# KiCad board ENV_KB_RGB.kicad_pcb
title: EnvKB; date: 2021-04-06; rev: Rev.1
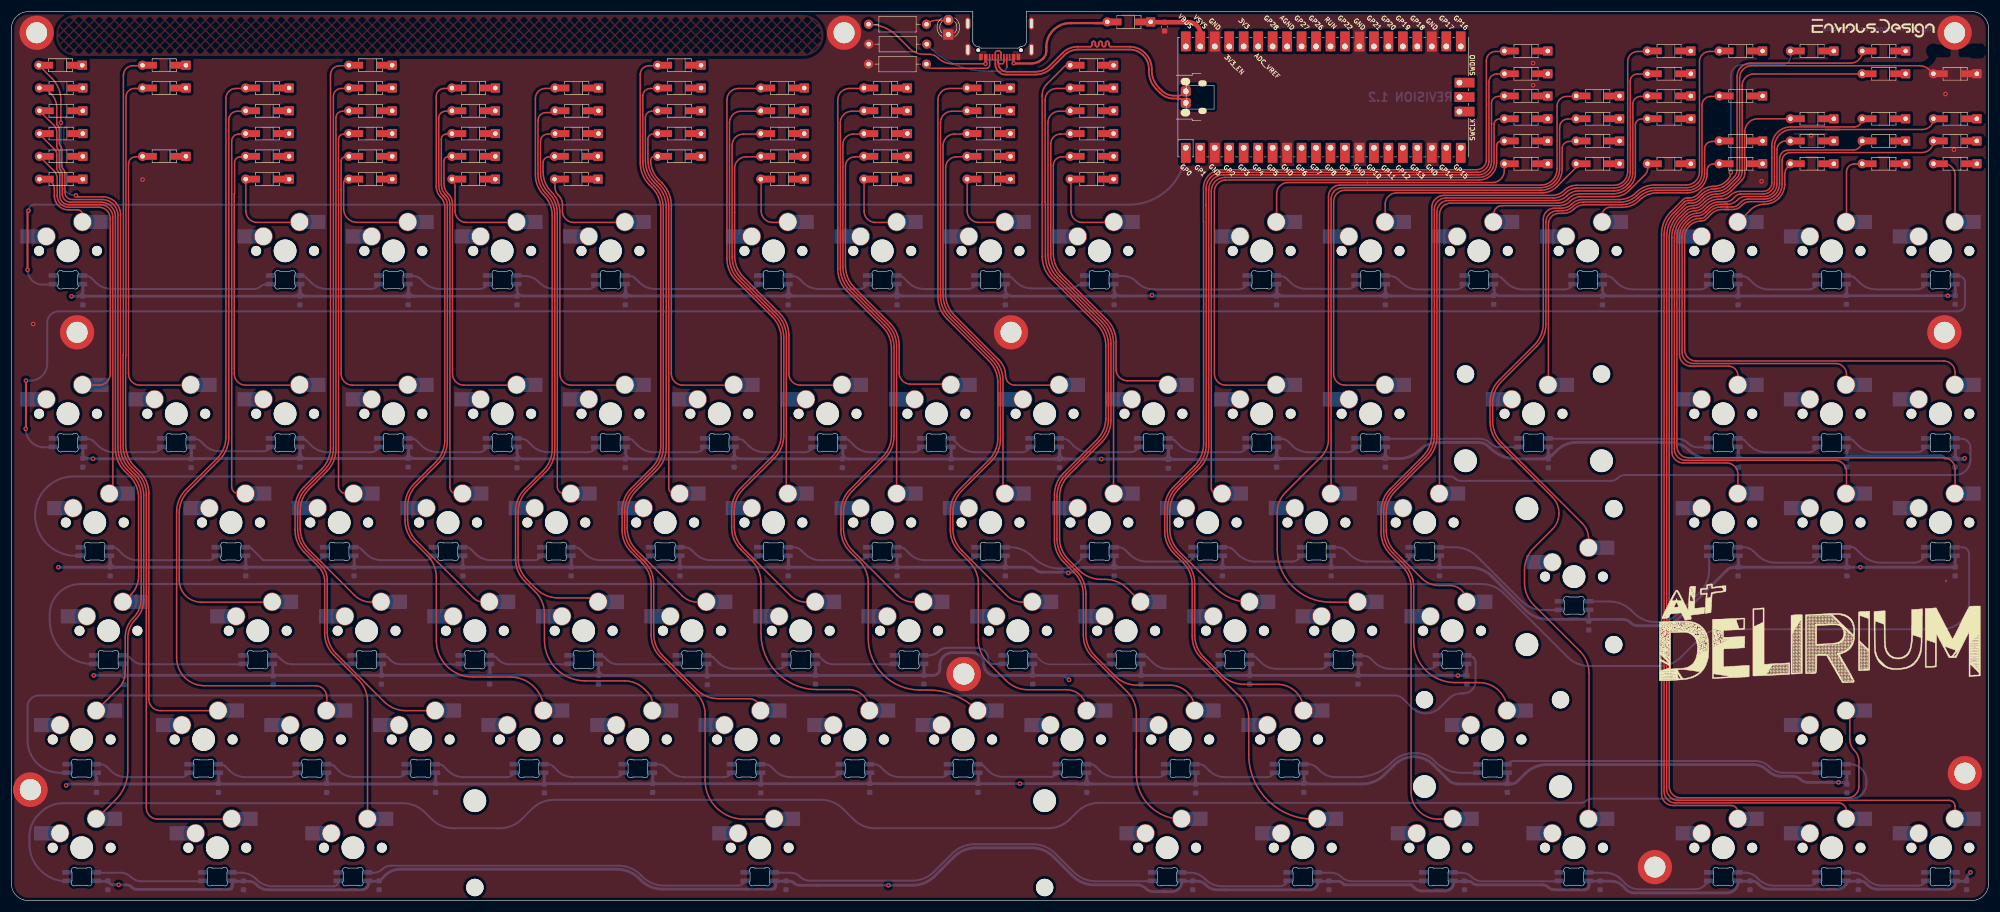
[diagram p0: board, top side]
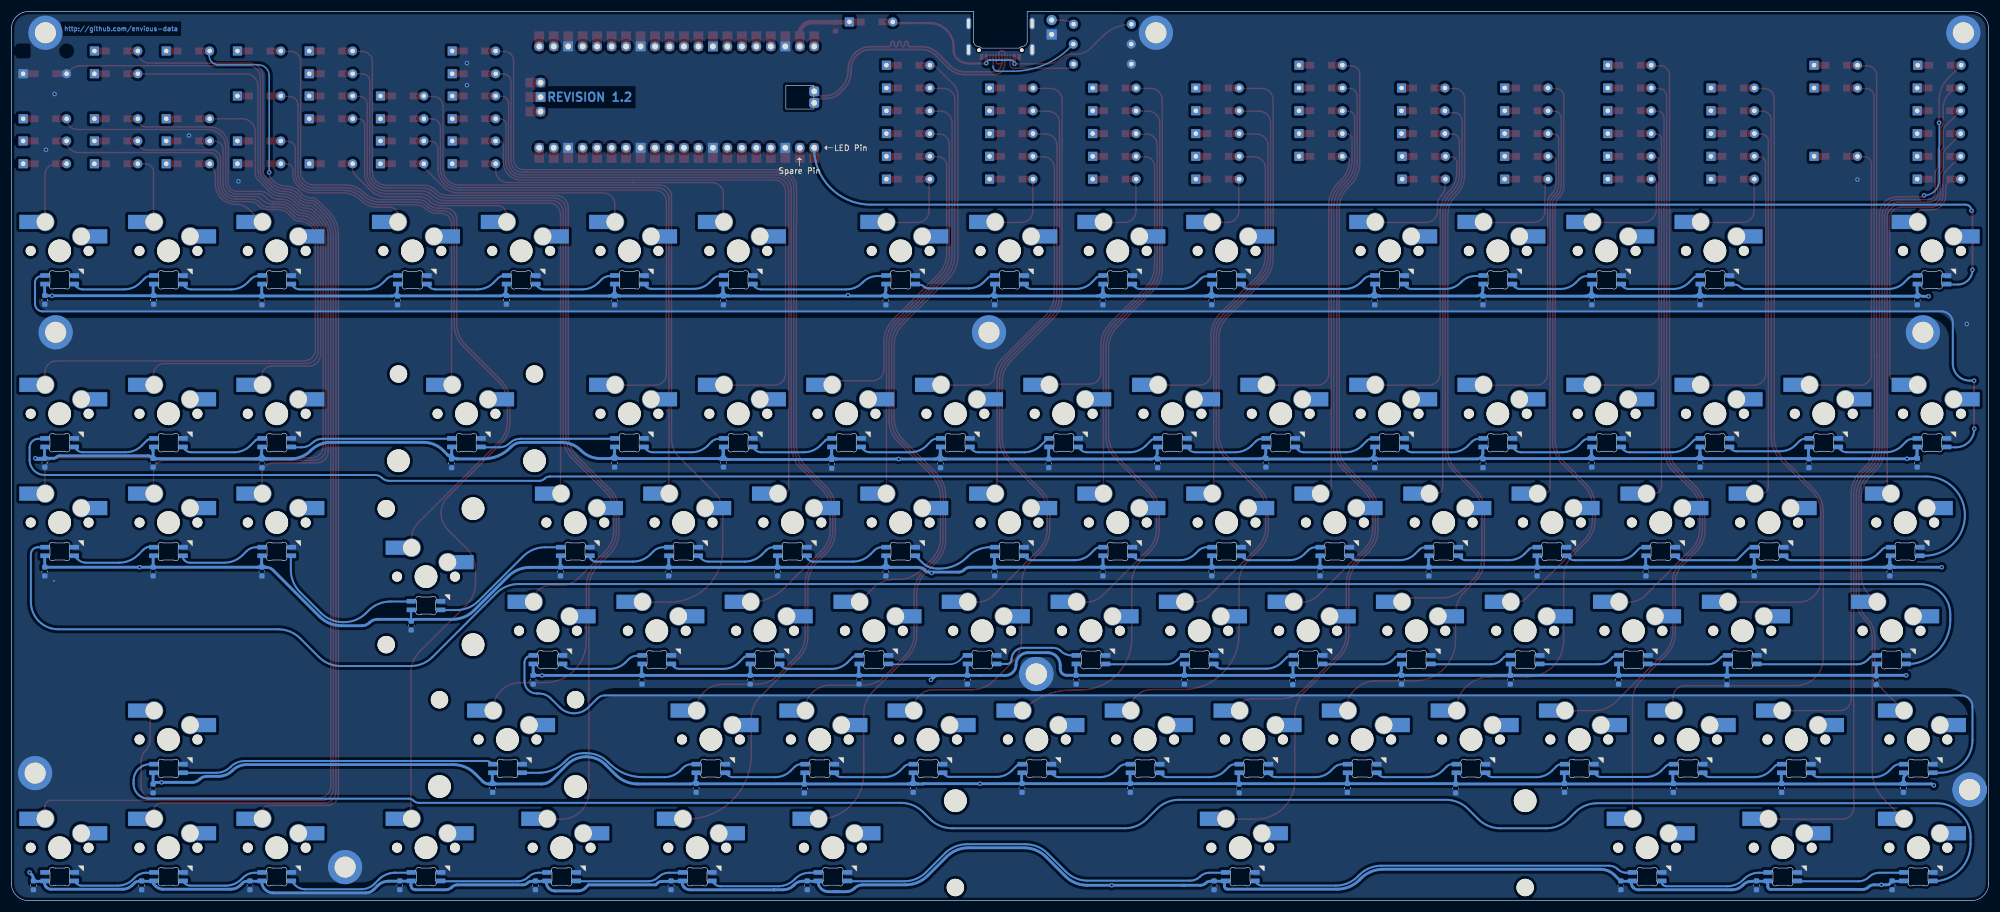
[diagram p1: board, bottom side, seen from below]

Outline 347 x 156.13 mm; copper layers: Top, In1.Cu, In2.Cu, Bottom. Coordinates in mm from the lower left corner of the outline.
Outline path: 211.08,138.99 211.08,143.16 206.16,143.16 206.16,138.99 closed ; 168.73,155.28 168.73,156.11 3,156.1 arc(0.88,155.22) 0,153.1 0,3 arc(0.88,0.88) 3,0 344,0 arc(346.12,0.88) 347,3 347,153.11 arc(346.12,155.23) 344,156.11 178.14,156.13 178.14,155.28
Stack: Top 0.035mm / dielectric 0.48mm FR4 er 4.5 / In1.Cu 0.035mm / dielectric 0.48mm FR4 er 4.5 / In2.Cu 0.035mm / dielectric 0.48mm FR4 er 4.5 / Bottom 0.035mm

## Placement (name value [footprint] x y rotation side)
C1  100nF 0603  [C_0603_1608Metric]  341.13 105.48 270 bottom
C2  100nF 0603  [C_0603_1608Metric]  193.53 105.38 270 bottom
C3  100nF 0603  [C_0603_1608Metric]  83.93 38.78 270 bottom
C4  100nF 0603  [C_0603_1608Metric]  41.13 57.78 270 bottom
C5  100nF 0603  [C_0603_1608Metric]  303.03 76.78 270 bottom
C6  100nF 0603  [C_0603_1608Metric]  145.83 76.78 270 bottom
C7  100nF 0603  [C_0603_1608Metric]  60.13 57.78 270 bottom
C8  100nF 0603  [C_0603_1608Metric]  107.73 105.38 270 bottom
C10  100nF 0603  [C_0603_1608Metric]  150.63 19.78 270 bottom
C11  100nF 0603  [C_0603_1608Metric]  12.53 105.38 270 bottom
C12  100nF 0603  [C_0603_1608Metric]  278.83 2.69 270 bottom
C13  100nF 0603  [C_0603_1608Metric]  324.13 2.69 270 bottom
C14  100nF 0603  [C_0603_1608Metric]  122.13 38.69 270 bottom
C15  100nF 0603  [C_0603_1608Metric]  136.33 105.38 270 bottom
C16  100nF 0603  [C_0603_1608Metric]  303.03 105.38 270 bottom
C17  100nF 0603  [C_0603_1608Metric]  14.93 19.78 270 bottom
C18  100nF 0603  [C_0603_1608Metric]  31.53 76.78 270 bottom
C19  100nF 0603  [C_0603_1608Metric]  198.23 38.78 270 bottom
C20  100nF 0603  [C_0603_1608Metric]  262.53 19.78 270 bottom
C22  100nF 0603  [C_0603_1608Metric]  107.73 76.78 270 bottom
C23  100nF 0603  [C_0603_1608Metric]  36.33 19.78 270 bottom
C26  100nF 0603  [C_0603_1608Metric]  231.23 2.69 270 bottom
C27  100nF 0603  [C_0603_1608Metric]  276.83 48.28 270 bottom
C29  100nF 0603  [C_0603_1608Metric]  64.53 2.69 270 bottom
C30  100nF 0603  [C_0603_1608Metric]  269.73 76.78 270 bottom
C31  100nF 0603  [C_0603_1608Metric]  17.33 57.78 270 bottom
C32  100nF 0603  [C_0603_1608Metric]  74.43 19.78 270 bottom
C33  100nF 0603  [C_0603_1608Metric]  169.63 19.78 270 bottom
C34  100nF 0603  [C_0603_1608Metric]  155.43 105.38 270 bottom
C35  100nF 0603  [C_0603_1608Metric]  322.03 105.48 270 bottom
C36  100nF 0603  [C_0603_1608Metric]  164.93 76.78 270 bottom
C37  100nF 0603  [C_0603_1608Metric]  217.33 38.78 270 bottom
C38  100nF 0603  [C_0603_1608Metric]  141.13 38.78 270 bottom
C39  100nF 0603  [C_0603_1608Metric]  126.83 76.88 270 bottom
C40  100nF 0603  [C_0603_1608Metric]  250.63 57.78 270 bottom
C42  100nF 0603  [C_0603_1608Metric]  193.53 57.78 270 bottom
C43  100nF 0603  [C_0603_1608Metric]  103.03 38.78 270 bottom
C44  100nF 0603  [C_0603_1608Metric]  207.83 19.69 270 bottom
C45  100nF 0603  [C_0603_1608Metric]  12.53 76.88 270 bottom
C46  100nF 0603  [C_0603_1608Metric]  183.93 76.78 270 bottom
C47  100nF 0603  [C_0603_1608Metric]  93.53 19.69 270 bottom
C48  100nF 0603  [C_0603_1608Metric]  136.33 57.78 270 bottom
C49  100nF 0603  [C_0603_1608Metric]  188.73 19.78 270 bottom
C50  100nF 0603  [C_0603_1608Metric]  135.93 2.69 270 bottom
C52  100nF 0603  [C_0603_1608Metric]  88.73 76.78 270 bottom
C53  100nF 0603  [C_0603_1608Metric]  174.43 105.38 270 bottom
C54  100nF 0603  [C_0603_1608Metric]  241.13 76.88 270 bottom
C55  100nF 0603  [C_0603_1608Metric]  212.53 57.78 270 bottom
C56  100nF 0603  [C_0603_1608Metric]  117.33 57.78 270 bottom
C57  100nF 0603  [C_0603_1608Metric]  260.13 105.48 270 bottom
C59  100nF 0603  [C_0603_1608Metric]  236.33 38.78 270 bottom
C60  100nF 0603  [C_0603_1608Metric]  174.43 57.78 270 bottom
C61  100nF 0603  [C_0603_1608Metric]  341.13 76.88 270 bottom
C62  100nF 0603  [C_0603_1608Metric]  64.93 38.78 270 bottom
C64  100nF 0603  [C_0603_1608Metric]  222.03 76.88 270 bottom
C65  100nF 0603  [C_0603_1608Metric]  305.13 2.69 270 bottom
C66  100nF 0603  [C_0603_1608Metric]  155.43 57.78 270 bottom
C67  100nF 0603  [C_0603_1608Metric]  255.43 38.78 270 bottom
C68  100nF 0603  [C_0603_1608Metric]  19.73 38.69 270 bottom
C69  100nF 0603  [C_0603_1608Metric]  343.13 2.69 270 bottom
C70  100nF 0603  [C_0603_1608Metric]  207.33 2.69 270 bottom
C71  100nF 0603  [C_0603_1608Metric]  341.13 57.78 270 bottom
C72  100nF 0603  [C_0603_1608Metric]  50.63 76.88 270 bottom
C74  100nF 0603  [C_0603_1608Metric]  69.63 76.88 270 bottom
C75  100nF 0603  [C_0603_1608Metric]  112.53 19.78 270 bottom
C76  100nF 0603  [C_0603_1608Metric]  40.73 2.69 270 bottom
C77  100nF 0603  [C_0603_1608Metric]  45.93 38.69 270 bottom
C78  100nF 0603  [C_0603_1608Metric]  241.13 105.38 270 bottom
C79  100nF 0603  [C_0603_1608Metric]  322.13 57.78 270 bottom
C81  100nF 0603  [C_0603_1608Metric]  322.13 76.88 270 bottom
C82  100nF 0603  [C_0603_1608Metric]  202.38 153.46 270 top
C83  100nF 0603  [C_0603_1608Metric]  203.03 76.69 270 bottom
C85  100nF 0603  [C_0603_1608Metric]  322.13 19.69 270 bottom
C86  100nF 0603  [C_0603_1608Metric]  98.23 57.78 270 bottom
C87  100nF 0603  [C_0603_1608Metric]  69.63 105.38 270 bottom
C88  100nF 0603  [C_0603_1608Metric]  131.53 19.69 270 bottom
C89  100nF 0603  [C_0603_1608Metric]  231.63 57.78 270 bottom
C90  100nF 0603  [C_0603_1608Metric]  160.13 38.78 270 bottom
C91  100nF 0603  [C_0603_1608Metric]  88.73 105.38 270 bottom
C92  100nF 0603  [C_0603_1608Metric]  55.33 19.78 270 bottom
C93  100nF 0603  [C_0603_1608Metric]  222.03 105.38 270 bottom
C94  100nF 0603  [C_0603_1608Metric]  279.23 105.38 270 bottom
C95  100nF 0603  [C_0603_1608Metric]  16.93 2.69 270 bottom
C96  100nF 0603  [C_0603_1608Metric]  255.03 2.69 270 bottom
C97  100nF 0603  [C_0603_1608Metric]  303.03 57.78 270 bottom
C98  100nF 0603  [C_0603_1608Metric]  179.23 38.78 270 bottom
C99  100nF 0603  [C_0603_1608Metric]  226.83 19.78 270 bottom
C100  100nF 0603  [C_0603_1608Metric]  79.23 57.78 270 bottom
C102  100nF 0603  [C_0603_1608Metric]  50.63 105.38 270 bottom
D0  D  [SOD-123+D_DO-35_SOD27_P7.62mm_Horizontal]  12.53 126.69 180 top
D1  D  [SOD-123+D_DO-35_SOD27_P7.62mm_Horizontal]  48.73 126.69 180 top
D2  D  [SOD-123+D_DO-35_SOD27_P7.62mm_Horizontal]  66.83 126.69 180 top
D3  D  [SOD-123+D_DO-35_SOD27_P7.62mm_Horizontal]  84.93 126.69 180 top
D4  D  [SOD-123+D_DO-35_SOD27_P7.62mm_Horizontal]  102.93 126.69 180 top
D5  D  [SOD-123+D_DO-35_SOD27_P7.62mm_Horizontal]  139.13 126.69 180 top
D6  D  [SOD-123+D_DO-35_SOD27_P7.62mm_Horizontal]  157.23 126.69 180 top
D7  D  [SOD-123+D_DO-35_SOD27_P7.62mm_Horizontal]  175.33 126.69 180 top
D8  D  [SOD-123+D_DO-35_SOD27_P7.62mm_Horizontal]  193.43 126.69 180 top
D9  D  [SOD-123+D_DO-35_SOD27_P7.62mm_Horizontal]  269.63 129.38 180 top
D10  D  [SOD-123+D_DO-35_SOD27_P7.62mm_Horizontal]  282.23 129.38 180 top
D11  D  [SOD-123+D_DO-35_SOD27_P7.62mm_Horizontal]  294.73 129.38 180 top
D12  D  [SOD-123+D_DO-35_SOD27_P7.62mm_Horizontal]  307.33 129.38 180 top
D13  D  [SOD-123+D_DO-35_SOD27_P7.62mm_Horizontal]  319.83 129.38 180 top
D14  D  [SOD-123+D_DO-35_SOD27_P7.62mm_Horizontal]  332.43 129.38 180 top
D15  D  [SOD-123+D_DO-35_SOD27_P7.62mm_Horizontal]  344.93 129.38 180 top
D16  D  [SOD-123+D_DO-35_SOD27_P7.62mm_Horizontal]  12.53 130.69 180 top
D17  D  [SOD-123+D_DO-35_SOD27_P7.62mm_Horizontal]  30.63 130.69 180 top
D18  D  [SOD-123+D_DO-35_SOD27_P7.62mm_Horizontal]  48.73 130.69 180 top
D19  D  [SOD-123+D_DO-35_SOD27_P7.62mm_Horizontal]  66.83 130.69 180 top
D20  D  [SOD-123+D_DO-35_SOD27_P7.62mm_Horizontal]  84.93 130.69 180 top
D21  D  [SOD-123+D_DO-35_SOD27_P7.62mm_Horizontal]  102.93 130.69 180 top
D22  D  [SOD-123+D_DO-35_SOD27_P7.62mm_Horizontal]  121.03 130.69 180 top
D23  D  [SOD-123+D_DO-35_SOD27_P7.62mm_Horizontal]  139.13 130.69 180 top
D24  D  [SOD-123+D_DO-35_SOD27_P7.62mm_Horizontal]  157.23 130.69 180 top
D25  D  [SOD-123+D_DO-35_SOD27_P7.62mm_Horizontal]  175.33 130.69 180 top
D26  D  [SOD-123+D_DO-35_SOD27_P7.62mm_Horizontal]  193.43 130.69 180 top
D27  D  [SOD-123+D_DO-35_SOD27_P7.62mm_Horizontal]  269.63 133.38 180 top
D28  D  [SOD-123+D_DO-35_SOD27_P7.62mm_Horizontal]  282.23 133.38 180 top
D29  D  [SOD-123+D_DO-35_SOD27_P7.62mm_Horizontal]  307.33 133.38 180 top
D30  D  [SOD-123+D_DO-35_SOD27_P7.62mm_Horizontal]  319.83 133.38 180 top
D31  D  [SOD-123+D_DO-35_SOD27_P7.62mm_Horizontal]  332.43 133.38 180 top
D32  D  [SOD-123+D_DO-35_SOD27_P7.62mm_Horizontal]  344.93 133.38 180 top
D33  D  [SOD-123+D_DO-35_SOD27_P7.62mm_Horizontal]  12.53 134.69 180 top
D34  D  [SOD-123+D_DO-35_SOD27_P7.62mm_Horizontal]  48.73 134.69 180 top
D35  D  [SOD-123+D_DO-35_SOD27_P7.62mm_Horizontal]  66.83 134.69 180 top
D36  D  [SOD-123+D_DO-35_SOD27_P7.62mm_Horizontal]  84.93 134.69 180 top
D37  D  [SOD-123+D_DO-35_SOD27_P7.62mm_Horizontal]  103.03 134.69 180 top
D38  D  [SOD-123+D_DO-35_SOD27_P7.62mm_Horizontal]  121.03 134.69 180 top
D39  D  [SOD-123+D_DO-35_SOD27_P7.62mm_Horizontal]  139.13 134.69 180 top
D40  D  [SOD-123+D_DO-35_SOD27_P7.62mm_Horizontal]  157.23 134.69 180 top
D41  D  [SOD-123+D_DO-35_SOD27_P7.62mm_Horizontal]  175.33 134.69 180 top
D42  D  [SOD-123+D_DO-35_SOD27_P7.62mm_Horizontal]  193.43 134.69 180 top
D43  D  [SOD-123+D_DO-35_SOD27_P7.62mm_Horizontal]  269.63 137.28 180 top
D44  D  [SOD-123+D_DO-35_SOD27_P7.62mm_Horizontal]  282.23 137.28 180 top
D45  D  [SOD-123+D_DO-35_SOD27_P7.62mm_Horizontal]  294.73 137.28 180 top
D47  D  [SOD-123+D_DO-35_SOD27_P7.62mm_Horizontal]  319.83 137.28 180 top
D48  D  [SOD-123+D_DO-35_SOD27_P7.62mm_Horizontal]  332.43 137.28 180 top
D49  D  [SOD-123+D_DO-35_SOD27_P7.62mm_Horizontal]  344.93 137.28 180 top
D50  D  [SOD-123+D_DO-35_SOD27_P7.62mm_Horizontal]  12.53 138.69 180 top
D51  D  [SOD-123+D_DO-35_SOD27_P7.62mm_Horizontal]  48.73 138.69 180 top
D52  D  [SOD-123+D_DO-35_SOD27_P7.62mm_Horizontal]  66.83 138.69 180 top
D53  D  [SOD-123+D_DO-35_SOD27_P7.62mm_Horizontal]  84.93 138.69 180 top
D54  D  [SOD-123+D_DO-35_SOD27_P7.62mm_Horizontal]  103.03 138.69 180 top
D55  D  [SOD-123+D_DO-35_SOD27_P7.62mm_Horizontal]  121.03 138.69 180 top
D56  D  [SOD-123+D_DO-35_SOD27_P7.62mm_Horizontal]  139.13 138.69 180 top
D57  D  [SOD-123+D_DO-35_SOD27_P7.62mm_Horizontal]  157.23 138.69 180 top
D58  D  [SOD-123+D_DO-35_SOD27_P7.62mm_Horizontal]  175.33 138.69 180 top
D59  D  [SOD-123+D_DO-35_SOD27_P7.62mm_Horizontal]  193.43 138.69 180 top
D60  D  [SOD-123+D_DO-35_SOD27_P7.62mm_Horizontal]  269.63 141.28 180 top
D61  D  [SOD-123+D_DO-35_SOD27_P7.62mm_Horizontal]  282.23 141.28 180 top
D62  D  [SOD-123+D_DO-35_SOD27_P7.62mm_Horizontal]  294.73 141.28 180 top
D63  D  [SOD-123+D_DO-35_SOD27_P7.62mm_Horizontal]  307.33 141.28 180 top
D64  D  [SOD-123+D_DO-35_SOD27_P7.62mm_Horizontal]  12.53 142.69 180 top
D65  D  [SOD-123+D_DO-35_SOD27_P7.62mm_Horizontal]  30.63 142.69 180 top
D66  D  [SOD-123+D_DO-35_SOD27_P7.62mm_Horizontal]  48.73 142.69 180 top
D67  D  [SOD-123+D_DO-35_SOD27_P7.62mm_Horizontal]  66.83 142.69 180 top
D68  D  [SOD-123+D_DO-35_SOD27_P7.62mm_Horizontal]  84.93 142.69 180 top
D69  D  [SOD-123+D_DO-35_SOD27_P7.62mm_Horizontal]  103.03 142.69 180 top
D70  D  [SOD-123+D_DO-35_SOD27_P7.62mm_Horizontal]  121.03 142.69 180 top
D71  D  [SOD-123+D_DO-35_SOD27_P7.62mm_Horizontal]  139.13 142.69 180 top
D72  D  [SOD-123+D_DO-35_SOD27_P7.62mm_Horizontal]  157.23 142.69 180 top
D73  D  [SOD-123+D_DO-35_SOD27_P7.62mm_Horizontal]  175.33 142.69 180 top
D74  D  [SOD-123+D_DO-35_SOD27_P7.62mm_Horizontal]  193.43 142.69 180 top
D75  D  [SOD-123+D_DO-35_SOD27_P7.62mm_Horizontal]  269.63 145.19 180 top
D76  D  [SOD-123+D_DO-35_SOD27_P7.62mm_Horizontal]  294.73 145.19 180 top
D77  D  [SOD-123+D_DO-35_SOD27_P7.62mm_Horizontal]  332.43 145.19 180 top
D78  D  [SOD-123+D_DO-35_SOD27_P7.62mm_Horizontal]  12.43 146.69 180 top
D79  D  [SOD-123+D_DO-35_SOD27_P7.62mm_Horizontal]  30.63 146.69 180 top
D80  D  [SOD-123+D_DO-35_SOD27_P7.62mm_Horizontal]  66.83 146.69 180 top
D81  D  [SOD-123+D_DO-35_SOD27_P7.62mm_Horizontal]  121.03 146.69 180 top
D82  D  [SOD-123+D_DO-35_SOD27_P7.62mm_Horizontal]  193.43 146.69 180 top
D83  D  [SOD-123+D_DO-35_SOD27_P7.62mm_Horizontal]  269.63 149.19 180 top
D84  D  [SOD-123+D_DO-35_SOD27_P7.62mm_Horizontal]  294.73 149.19 180 top
D85  D  [SOD-123+D_DO-35_SOD27_P7.62mm_Horizontal]  307.33 149.19 180 top
D86  D  [SOD-123+D_DO-35_SOD27_P7.62mm_Horizontal]  319.83 149.19 180 top
D87  D  [SOD-123+D_DO-35_SOD27_P7.62mm_Horizontal]  332.43 149.19 180 top
D88  D  [SOD-123+D_DO-35_SOD27_P7.62mm_Horizontal]  344.93 145.19 180 top
G***  LOGO  [AltDelirium]  317.33 47.48 0 top
H0  MountingHole  [MountingHole_2.2mm_M2_Pad]  4.43 152.38 0 top
H1  MountingHole  [MountingHole_2.2mm_M2_Pad]  341.03 152.38 0 top
H2  MountingHole  [MountingHole_2.2mm_M2_Pad]  342.83 22.38 0 top
H3  MountingHole  [MountingHole_2.2mm_M2_Pad]  3.33 19.48 0 top
H3#2  MountingHole  [MountingHole_2.2mm_M2_Pad]  3.33 19.48 0 top
H4  MountingHole  [MountingHole_2.2mm_M2_Pad]  288.43 5.88 0 top
H5  MountingHole  [MountingHole_2.2mm_M2_Pad]  146.13 152.38 0 top
H6  MountingHole  [MountingHole_2.2mm_M2_Pad]  175.43 99.78 0 top
H7  MountingHole  [MountingHole_2.2mm_M2_Pad]  167.13 39.78 0 top
H7#2  MountingHole  [MountingHole_2.2mm_M2_Pad]  167.13 39.78 0 top
H9  MountingHole  [MountingHole_2.2mm_M2_Pad]  11.53 99.78 0 top
H10  MountingHole  [MountingHole_2.2mm_M2_Pad]  339.23 99.78 0 top
K_0  KEYSW  [MXOnly-1U-Hotswap-Modified]  9.93 114.08 0 top
K_1  KEYSW  [MXOnly-1U-Hotswap-Modified]  48.03 114.08 0 top
K_2  KEYSW  [MXOnly-1U-Hotswap-Modified]  67.03 114.08 0 top
K_3  KEYSW  [MXOnly-1U-Hotswap-Modified]  86.13 114.08 0 top
K_4  KEYSW  [MXOnly-1U-Hotswap-Modified]  105.13 114.08 0 top
K_5  KEYSW  [MXOnly-1U-Hotswap-Modified]  133.73 114.08 0 top
K_6  KEYSW  [MXOnly-1U-Hotswap-Modified]  152.83 114.08 0 top
K_7  KEYSW  [MXOnly-1U-Hotswap-Modified]  171.83 114.08 0 top
K_8  KEYSW  [MXOnly-1U-Hotswap-Modified]  190.93 114.08 0 top
K_9  KEYSW  [MXOnly-1U-Hotswap-Modified]  219.43 114.08 0 top
K_10  KEYSW  [MXOnly-1U-Hotswap-Modified]  238.53 114.08 0 top
K_11  KEYSW  [MXOnly-1U-Hotswap-Modified]  257.53 114.08 0 top
K_12  KEYSW  [MXOnly-1U-Hotswap-Modified]  276.63 114.08 0 top
K_13  KEYSW  [MXOnly-1U-Hotswap-Modified]  300.43 114.08 0 top
K_14  KEYSW  [MXOnly-1U-Hotswap-Modified]  319.43 114.08 0 top
K_15  KEYSW  [MXOnly-1U-Hotswap-Modified]  338.53 114.08 0 top
K_16  KEYSW  [MXOnly-1U-Hotswap-Modified]  9.93 85.48 0 top
K_17  KEYSW  [MXOnly-1U-Hotswap-Modified]  28.93 85.48 0 top
K_18  KEYSW  [MXOnly-1U-Hotswap-Modified]  48.03 85.48 0 top
K_19  KEYSW  [MXOnly-1U-Hotswap-Modified]  67.03 85.48 0 top
K_20  KEYSW  [MXOnly-1U-Hotswap-Modified]  86.13 85.48 0 top
K_21  KEYSW  [MXOnly-1U-Hotswap-Modified]  105.13 85.48 0 top
K_22  KEYSW  [MXOnly-1U-Hotswap-Modified]  124.23 85.48 0 top
K_23  KEYSW  [MXOnly-1U-Hotswap-Modified]  143.23 85.48 0 top
K_24  KEYSW  [MXOnly-1U-Hotswap-Modified]  162.33 85.48 0 top
K_25  KEYSW  [MXOnly-1U-Hotswap-Modified]  181.33 85.48 0 top
K_26  KEYSW  [MXOnly-1U-Hotswap-Modified]  200.43 85.48 0 top
K_27  KEYSW  [MXOnly-1U-Hotswap-Modified]  219.43 85.48 0 top
K_28  KEYSW  [MXOnly-1U-Hotswap-Modified]  238.53 85.48 0 top
K_29  KEYSW  [MXOnly-1U-Hotswap-Modified]  267.13 85.48 0 top
K_30  KEYSW  [MXOnly-1U-Hotswap-Modified]  300.43 85.48 0 top
K_31  KEYSW  [MXOnly-1U-Hotswap-Modified]  319.43 85.48 0 top
K_32  KEYSW  [MXOnly-1U-Hotswap-Modified]  338.53 85.48 0 top
K_33  KEYSW  [MXOnly-1U-Hotswap-Modified]  14.63 66.38 0 top
K_34  KEYSW  [MXOnly-1U-Hotswap-Modified]  38.53 66.38 0 top
K_35  KEYSW  [MXOnly-1U-Hotswap-Modified]  57.53 66.38 0 top
K_36  KEYSW  [MXOnly-1U-Hotswap-Modified]  76.63 66.38 0 top
K_37  KEYSW  [MXOnly-1U-Hotswap-Modified]  95.63 66.38 0 top
K_38  KEYSW  [MXOnly-1U-Hotswap-Modified]  114.73 66.38 0 top
K_39  KEYSW  [MXOnly-1U-Hotswap-Modified]  133.73 66.38 0 top
K_40  KEYSW  [MXOnly-1U-Hotswap-Modified]  152.83 66.38 0 top
K_41  KEYSW  [MXOnly-1U-Hotswap-Modified]  171.83 66.38 0 top
K_42  KEYSW  [MXOnly-1U-Hotswap-Modified]  190.93 66.38 0 top
K_43  KEYSW  [MXOnly-1U-Hotswap-Modified]  209.93 66.38 0 top
K_44  KEYSW  [MXOnly-1U-Hotswap-Modified]  229.03 66.38 0 top
K_45  KEYSW  [MXOnly-1U-Hotswap-Modified]  248.03 66.38 0 top
K_47  KEYSW  [MXOnly-1U-Hotswap-Modified]  300.43 66.38 0 top
K_48  KEYSW  [MXOnly-1U-Hotswap-Modified]  319.43 66.38 0 top
K_49  KEYSW  [MXOnly-1U-Hotswap-Modified]  338.53 66.38 0 top
K_50  KEYSW  [MXOnly-1U-Hotswap-Modified]  17.03 47.38 0 top
K_51  KEYSW  [MXOnly-1U-Hotswap-Modified]  43.23 47.38 0 top
K_52  KEYSW  [MXOnly-1U-Hotswap-Modified]  62.33 47.38 0 top
K_53  KEYSW  [MXOnly-1U-Hotswap-Modified]  81.33 47.38 0 top
K_54  KEYSW  [MXOnly-1U-Hotswap-Modified]  100.43 47.38 0 top
K_55  KEYSW  [MXOnly-1U-Hotswap-Modified]  119.43 47.38 0 top
K_56  KEYSW  [MXOnly-1U-Hotswap-Modified]  138.53 47.38 0 top
K_57  KEYSW  [MXOnly-1U-Hotswap-Modified]  157.53 47.38 0 top
K_58  KEYSW  [MXOnly-1U-Hotswap-Modified]  176.63 47.38 0 top
K_59  KEYSW  [MXOnly-1U-Hotswap-Modified]  195.63 47.38 0 top
K_60  KEYSW  [MXOnly-1U-Hotswap-Modified]  214.73 47.38 0 top
K_61  KEYSW  [MXOnly-1U-Hotswap-Modified]  233.73 47.38 0 top
K_62  KEYSW  [MXOnly-1U-Hotswap-Modified]  252.83 47.38 0 top
K_63  KEYSW  [MXOnly-1U-Hotswap-Modified]  274.23 56.88 0 top
K_64  KEYSW  [MXOnly-1U-Hotswap-Modified]  12.33 28.28 0 top
K_65  KEYSW  [MXOnly-1U-Hotswap-Modified]  33.73 28.28 0 top
K_66  KEYSW  [MXOnly-1U-Hotswap-Modified]  52.73 28.28 0 top
K_67  KEYSW  [MXOnly-1U-Hotswap-Modified]  71.83 28.28 0 top
K_68  KEYSW  [MXOnly-1U-Hotswap-Modified]  90.83 28.28 0 top
K_69  KEYSW  [MXOnly-1U-Hotswap-Modified]  109.93 28.28 0 top
K_70  KEYSW  [MXOnly-1U-Hotswap-Modified]  128.93 28.28 0 top
K_71  KEYSW  [MXOnly-1U-Hotswap-Modified]  148.03 28.28 0 top
K_72  KEYSW  [MXOnly-1U-Hotswap-Modified]  167.03 28.28 0 top
K_73  KEYSW  [MXOnly-1U-Hotswap-Modified]  186.13 28.28 0 top
K_74  KEYSW  [MXOnly-1U-Hotswap-Modified]  205.13 28.28 0 top
K_75  KEYSW  [MXOnly-1U-Hotswap-Modified]  224.23 28.28 0 top
K_76  KEYSW  [MXOnly-1U-Hotswap-Modified]  259.93 28.28 0 top
K_77  KEYSW  [MXOnly-1U-Hotswap-Modified]  319.43 28.28 0 top
K_78  KEYSW  [MXOnly-1U-Hotswap-Modified]  12.33 9.28 0 top
K_79  KEYSW  [MXOnly-1U-Hotswap-Modified]  36.13 9.28 0 top
K_80  KEYSW  [MXOnly-1U-Hotswap-Modified]  59.93 9.28 0 top
K_81  KEYSW  [MXOnly-1U-Hotswap-Modified]  131.33 9.28 0 top
K_82  KEYSW  [MXOnly-1U-Hotswap-Modified]  202.83 9.28 0 top
K_83  KEYSW  [MXOnly-1U-Hotswap-Modified]  226.63 9.28 0 top
K_84  KEYSW  [MXOnly-1U-Hotswap-Modified]  250.43 9.28 0 top
K_85  KEYSW  [MXOnly-1U-Hotswap-Modified]  274.23 9.28 0 top
K_86  KEYSW  [MXOnly-1U-Hotswap-Modified]  300.43 9.28 0 top
K_87  KEYSW  [MXOnly-1U-Hotswap-Modified]  319.43 9.28 0 top
K_88  KEYSW  [MXOnly-1U-Hotswap-Modified]  338.53 9.28 0 top
kibuzzard-628F0978  G***  [kibuzzard-628F0978]  326.73 153.19 0 top
LED1  SK6812MINI-E  [MX_SK6812MINI-E_REV]  9.93 114.08 0 top
LED2  SK6812MINI-E  [MX_SK6812MINI-E_REV]  48.03 114.08 0 top
LED3  SK6812MINI-E  [MX_SK6812MINI-E_REV]  67.03 114.08 0 top
LED4  SK6812MINI-E  [MX_SK6812MINI-E_REV]  86.13 114.08 0 top
LED5  SK6812MINI-E  [MX_SK6812MINI-E_REV]  105.13 114.08 0 top
LED6  SK6812MINI-E  [MX_SK6812MINI-E_REV]  133.73 114.08 0 top
LED7  SK6812MINI-E  [MX_SK6812MINI-E_REV]  152.83 114.08 0 top
LED8  SK6812MINI-E  [MX_SK6812MINI-E_REV]  171.83 114.08 0 top
LED9  SK6812MINI-E  [MX_SK6812MINI-E_REV]  190.93 114.08 0 top
LED10  SK6812MINI-E  [MX_SK6812MINI-E_REV]  219.43 114.08 0 top
LED11  SK6812MINI-E  [MX_SK6812MINI-E_REV]  238.53 114.08 0 top
LED12  SK6812MINI-E  [MX_SK6812MINI-E_REV]  257.53 114.08 0 top
LED13  SK6812MINI-E  [MX_SK6812MINI-E_REV]  276.63 114.08 0 top
LED14  SK6812MINI-E  [MX_SK6812MINI-E_REV]  300.43 114.08 0 top
LED15  SK6812MINI-E  [MX_SK6812MINI-E_REV]  319.43 114.08 0 top
LED16  SK6812MINI-E  [MX_SK6812MINI-E_REV]  338.53 114.08 0 top
LED17  SK6812MINI-E  [MX_SK6812MINI-E_REV]  9.93 85.48 0 top
LED18  SK6812MINI-E  [MX_SK6812MINI-E_REV]  28.93 85.48 0 top
LED19  SK6812MINI-E  [MX_SK6812MINI-E_REV]  48.03 85.48 0 top
LED20  SK6812MINI-E  [MX_SK6812MINI-E_REV]  67.03 85.48 0 top
LED21  SK6812MINI-E  [MX_SK6812MINI-E_REV]  86.13 85.48 0 top
LED22  SK6812MINI-E  [MX_SK6812MINI-E_REV]  105.13 85.48 0 top
LED23  SK6812MINI-E  [MX_SK6812MINI-E_REV]  124.23 85.48 0 top
LED24  SK6812MINI-E  [MX_SK6812MINI-E_REV]  143.23 85.48 0 top
LED25  SK6812MINI-E  [MX_SK6812MINI-E_REV]  162.33 85.48 0 top
LED26  SK6812MINI-E  [MX_SK6812MINI-E_REV]  181.33 85.48 0 top
LED27  SK6812MINI-E  [MX_SK6812MINI-E_REV]  200.43 85.48 0 top
LED28  SK6812MINI-E  [MX_SK6812MINI-E_REV]  219.43 85.48 0 top
LED29  SK6812MINI-E  [MX_SK6812MINI-E_REV]  238.53 85.48 0 top
LED30  SK6812MINI-E  [MX_SK6812MINI-E_REV]  267.13 85.48 0 top
LED31  SK6812MINI-E  [MX_SK6812MINI-E_REV]  300.43 85.48 0 top
LED32  SK6812MINI-E  [MX_SK6812MINI-E_REV]  319.43 85.48 0 top
LED33  SK6812MINI-E  [MX_SK6812MINI-E_REV]  338.53 85.48 0 top
LED34  SK6812MINI-E  [MX_SK6812MINI-E_REV]  14.63 66.38 0 top
LED35  SK6812MINI-E  [MX_SK6812MINI-E_REV]  38.53 66.38 0 top
LED36  SK6812MINI-E  [MX_SK6812MINI-E_REV]  57.53 66.38 0 top
LED37  SK6812MINI-E  [MX_SK6812MINI-E_REV]  76.63 66.38 0 top
LED38  SK6812MINI-E  [MX_SK6812MINI-E_REV]  95.63 66.38 0 top
LED39  SK6812MINI-E  [MX_SK6812MINI-E_REV]  114.73 66.38 0 top
LED40  SK6812MINI-E  [MX_SK6812MINI-E_REV]  133.73 66.38 0 top
LED41  SK6812MINI-E  [MX_SK6812MINI-E_REV]  152.83 66.38 0 top
LED42  SK6812MINI-E  [MX_SK6812MINI-E_REV]  171.83 66.38 0 top
LED43  SK6812MINI-E  [MX_SK6812MINI-E_REV]  190.93 66.38 0 top
LED44  SK6812MINI-E  [MX_SK6812MINI-E_REV]  209.93 66.38 0 top
LED45  SK6812MINI-E  [MX_SK6812MINI-E_REV]  229.03 66.38 0 top
LED46  SK6812MINI-E  [MX_SK6812MINI-E_REV]  248.03 66.38 0 top
LED47  SK6812MINI-E  [MX_SK6812MINI-E_REV]  274.23 56.88 0 top
LED48  SK6812MINI-E  [MX_SK6812MINI-E_REV]  300.43 66.38 0 top
LED49  SK6812MINI-E  [MX_SK6812MINI-E_REV]  319.43 66.38 0 top
LED50  SK6812MINI-E  [MX_SK6812MINI-E_REV]  338.53 66.38 0 top
LED51  SK6812MINI-E  [MX_SK6812MINI-E_REV]  17.03 47.38 0 top
LED52  SK6812MINI-E  [MX_SK6812MINI-E_REV]  43.23 47.38 0 top
LED53  SK6812MINI-E  [MX_SK6812MINI-E_REV]  62.33 47.38 0 top
LED54  SK6812MINI-E  [MX_SK6812MINI-E_REV]  81.33 47.38 0 top